# Altium PCB MPPT.PcbDoc (part 1 of 2)
Units mm, origin at the board's own origin, x right, y up, seen from the top; angles counter-clockwise.
Board outline 185.29 x 120.02 mm, 4 copper layers (Top, PWR_GND, GND, Bottom), stack 0.672 mm thick; 128 components, 72 nets, 445 pads, 162 vias.
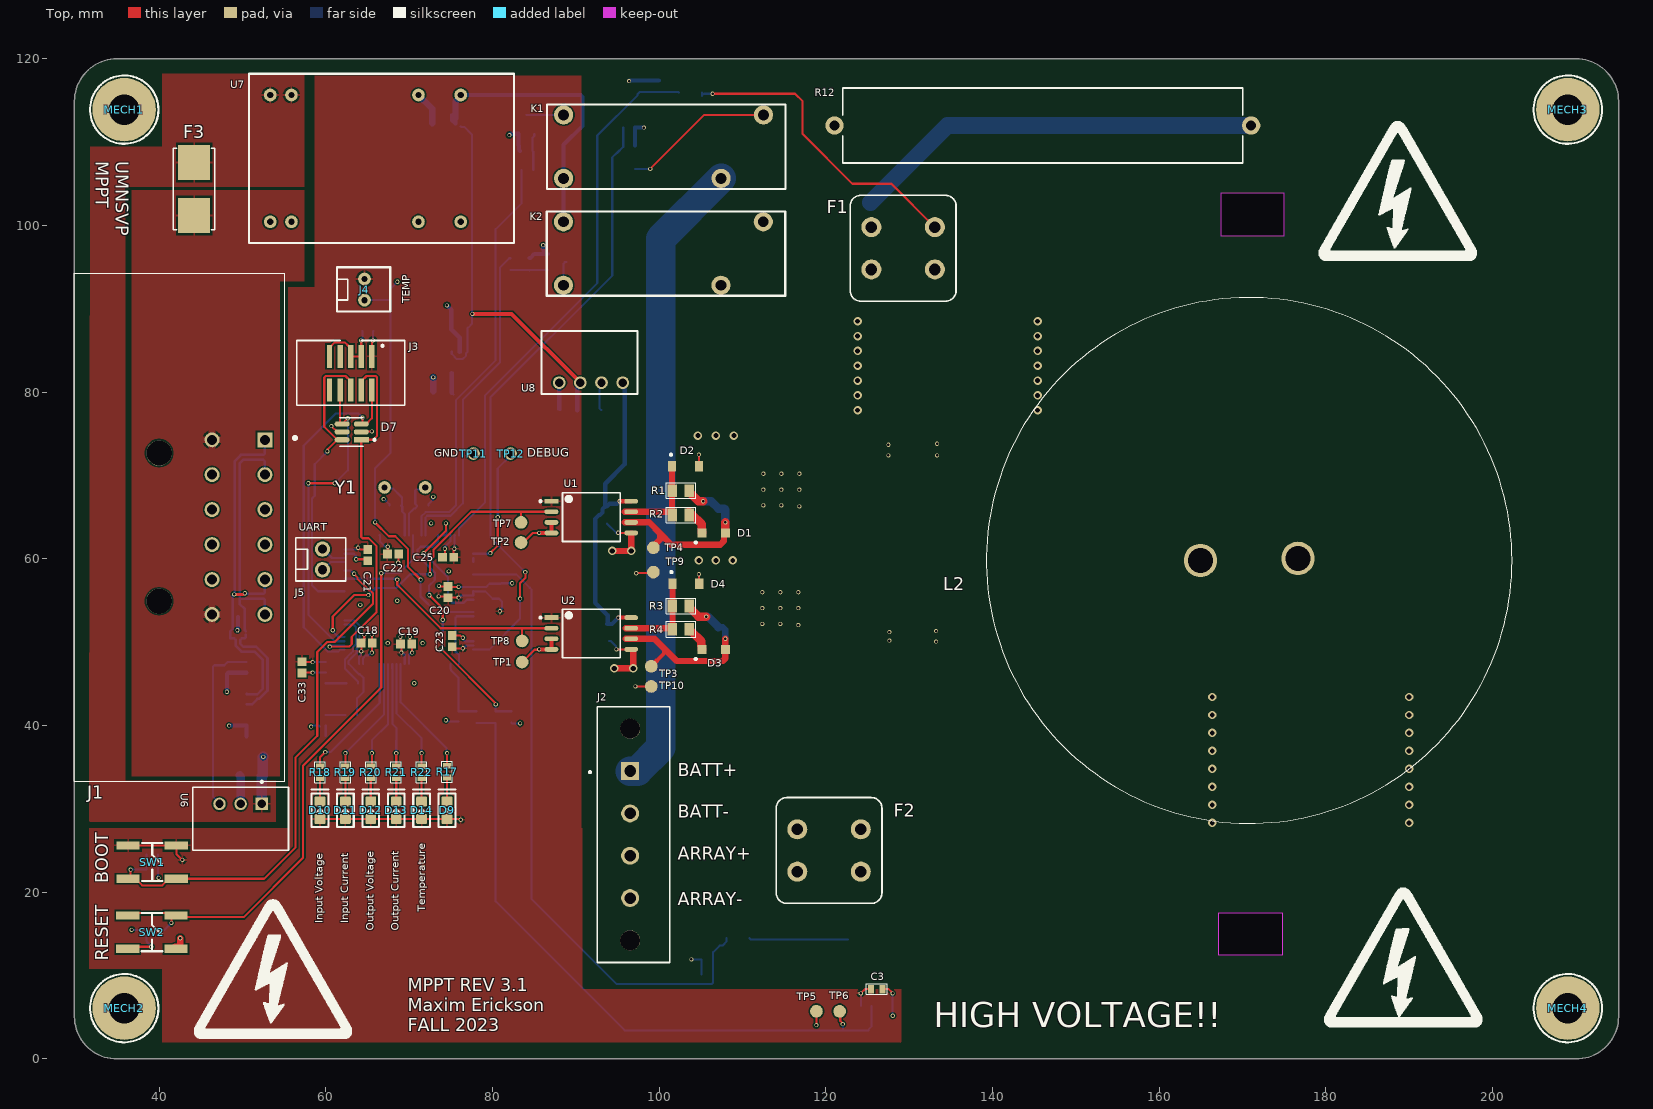
[diagram p0: Top view]
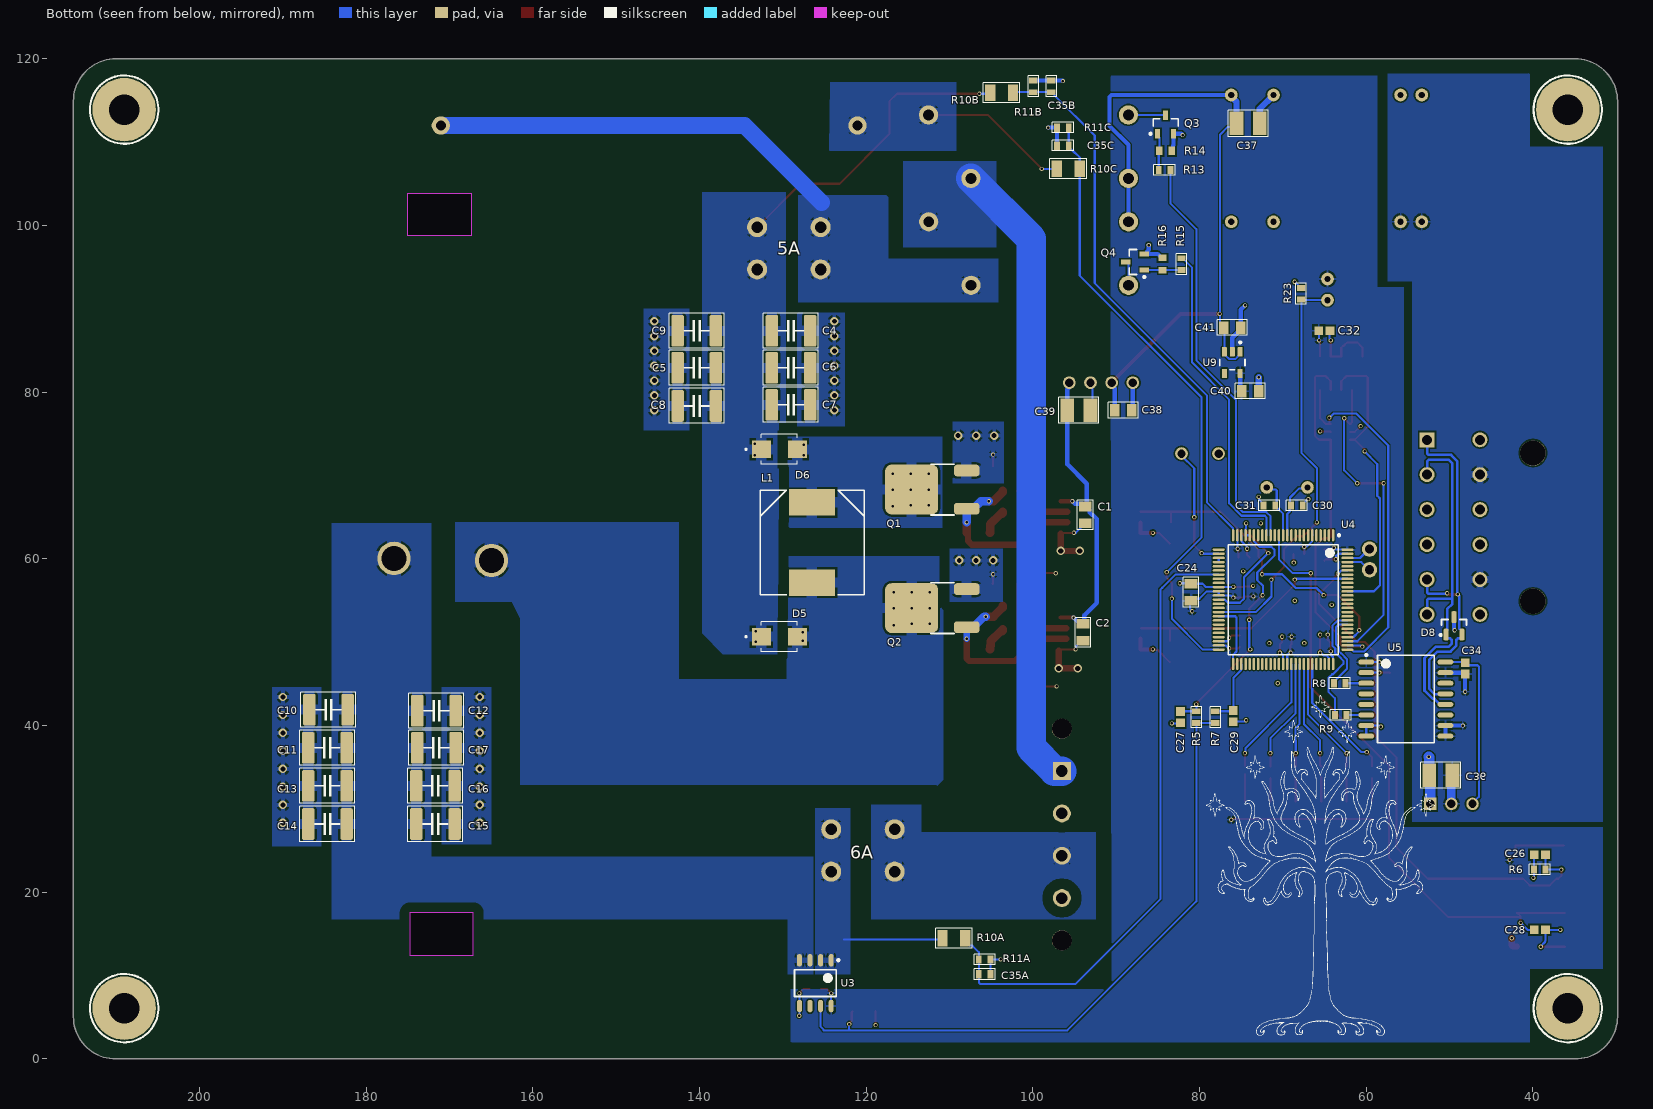
[diagram p1: Bottom view, seen from below]
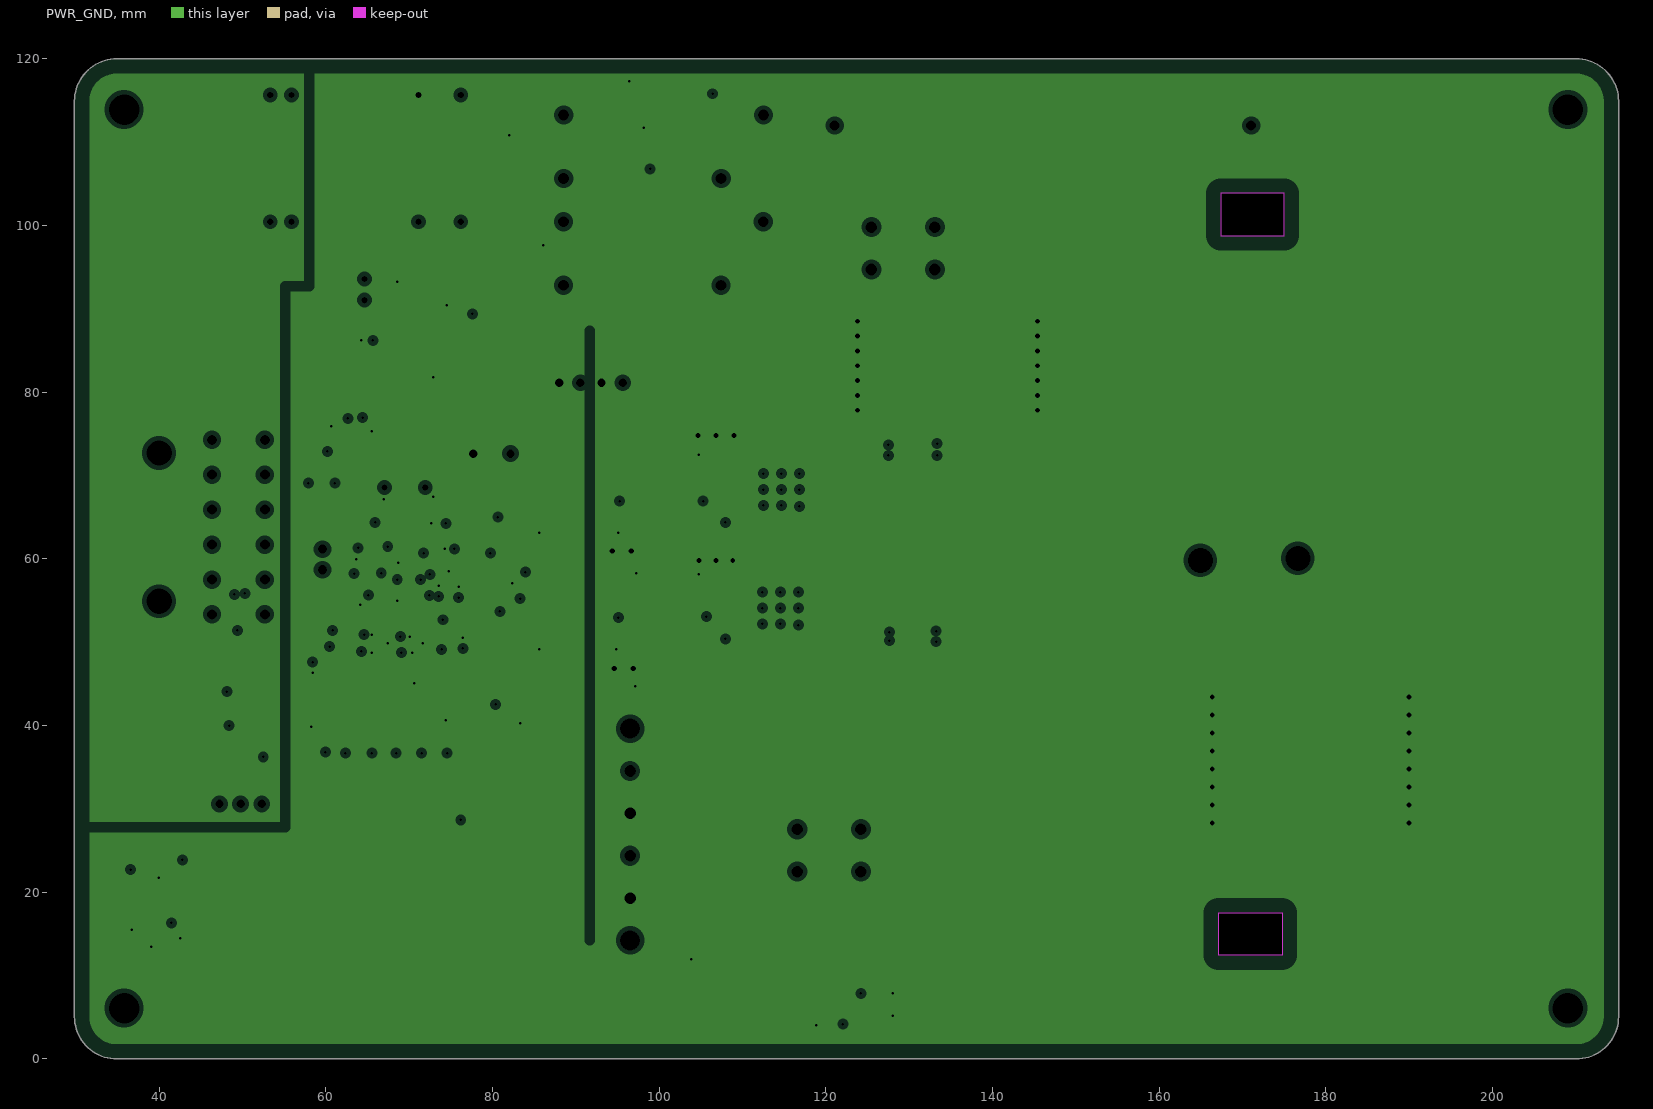
[diagram p2: PWR_GND, clearances drawn from the general rule]
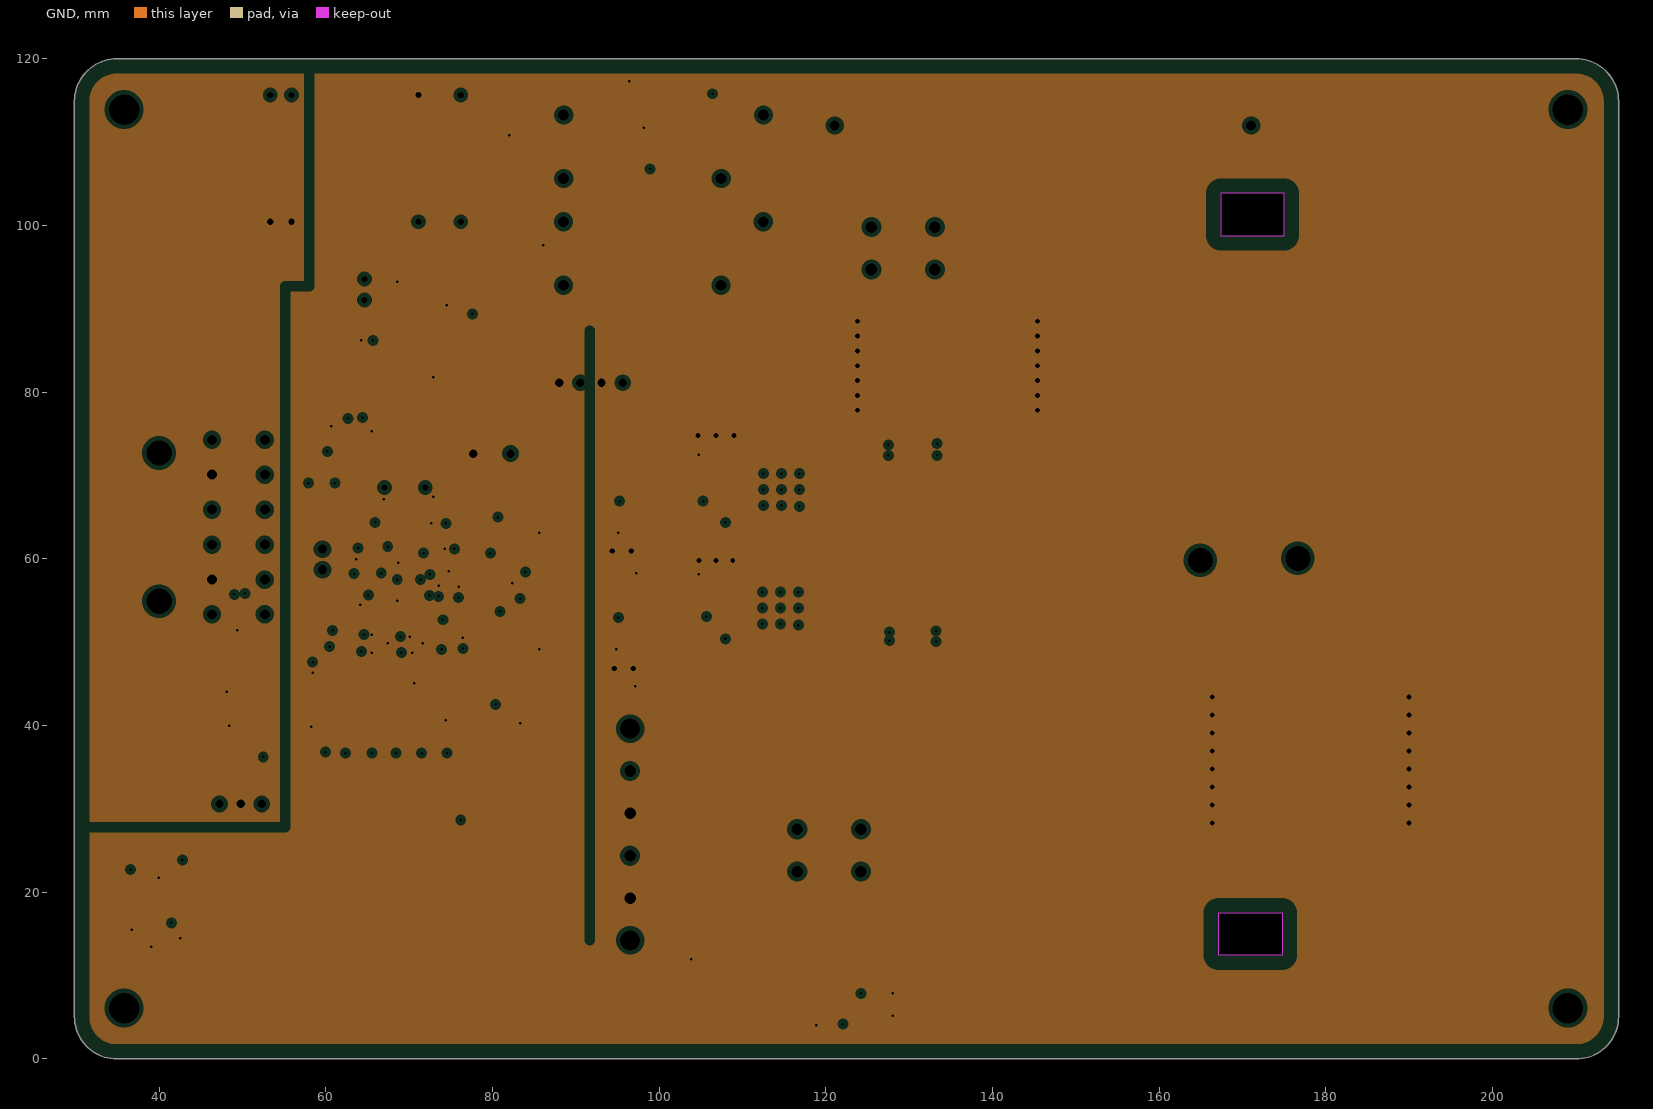
[diagram p3: GND, clearances drawn from the general rule]
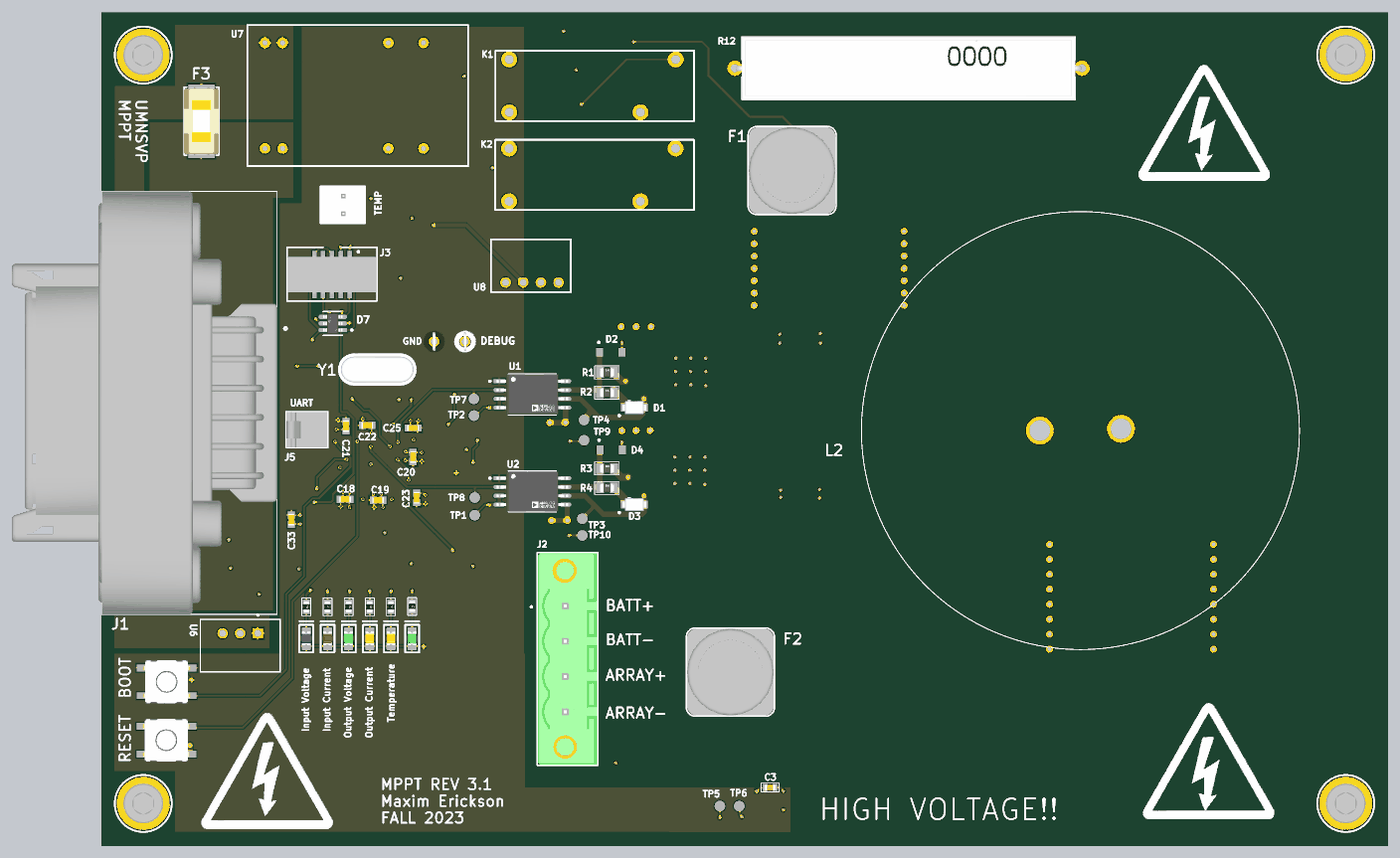
[diagram p5: 3D render of the assembled board from above, using the file's embedded part models]
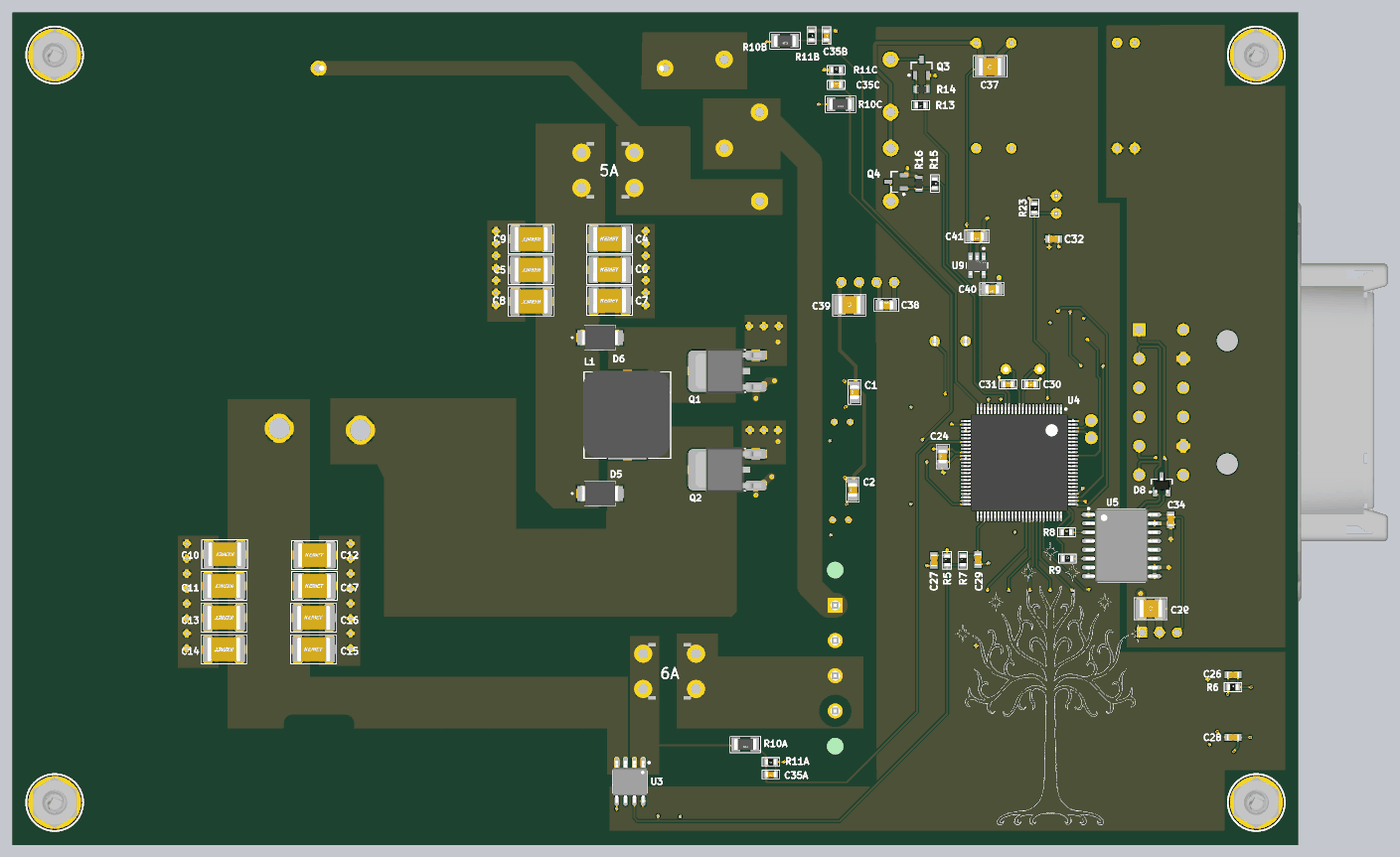
[diagram p6: 3D render of the assembled board from below, using the file's embedded part models]

## Layer stack, top to bottom
Top Solder: solder mask 0.0102, Solder Resist, Dk 3.5
Top: signal copper 0.07
Dielectric 2: prepreg 0.0711, PP-006, Dk 4.1
PWR_GND: plane copper 0.035, net GND
Dielectric 3: prepreg 0.0711, PP-006, Dk 4.1
GND: plane copper 0.035, net (Multiple Nets)
Dielectric 1: dielectric 0.32, FR-4, Dk 4.8
Bottom: signal copper 0.07
Bottom Solder: solder mask 0.0102, Solder Resist, Dk 3.5

## Board outline
29.845,5.08 ccw(c34.925,5.08) 34.925,0 34.798,0 210.058,0 ccw(c210.058,5.08) 215.138,5.08 215.138,114.935 ccw(c210.058,114.935) 210.058,120.015 34.925,120.015 ccw(c34.925,114.935) 29.845,114.935
cut-out: 175.006,98.806 175.006,103.886 167.386,103.886 167.386,98.806
cut-out: 174.752,17.526 174.752,12.446 167.132,12.446 167.132,17.526

## Design rules (kind name [scope] priority, off if disabled: settings)
BoardOutlineClearance [OnLayer('Top') OR OnLayer('Bottom') OR OnLayer('PWR_GND') Or OnLayer('GND')] p1: gap=1.016 ignorepadtopadclearanceinfootprint=FALSE except(0.381: Poly-CavityEdge Poly-CutoutEdge)
Clearance HAL_SENSE [InNet('inductor_input') OR InNet('boost_output') vs InNet('Array_Measure') OR InNet('NetF1_1')] p1: gap=0.178 ignorepadtopadclearanceinfootprint=TRUE
Clearance "HV clearence" [InNetClass('HV')] p2: gap=1.25 ignorepadtopadclearanceinfootprint=TRUE except(0.2: Arc-Text Track-Text SMDPad-Text THPad-Text Via-Text Fill-Text Poly-Text Region-Text Text-Text Text-Hole; 0.4: Arc-Arc Arc-Track Arc-SMDPad Arc-THPad Arc-Via Arc-Fill Arc-Poly Arc-Region Arc-Hole Track-Track Track-SMDPad Track-THPad Track-Via Track-Fill Track-Poly Track-Region Track-Hole SMDPad-Hole THPad-Hole Via-Hole Fill-Hole Poly-Hole Region-Hole)
Clearance "MV clearence" [InNetClass('MV')] p3: gap=0.25 ignorepadtopadclearanceinfootprint=TRUE
Clearance "LV clearence" [All] p4: gap=0.178 ignorepadtopadclearanceinfootprint=TRUE
ComponentClearance "FET Clearance" [InComponent('Q1') OR InComponent('Q2') vs InComponent('MP1')] p1: gap=0 collisioncheckmode=3 verticalgap=0 showdistances=FALSE
ComponentClearance [All] p2: gap=0.254 collisioncheckmode=3 verticalgap=0.254 showdistances=FALSE
DiffPairsRouting [All] p1: maxlimit=0.254 minlimit=0.254 mostfreqgap=0.254 toplayer_minwidth=0.381 toplayer_maxwidth=0.381 toplayer_prefwidth=0.381 bottomlayer_minwidth=0.305 bottomlayer_maxwidth=0.381 bottomlayer_prefwidth=0.381 maxuncoupledlength=19.05
Height [All] p1: minheight=0 maxheight=254 prefheight=12.7
PlaneClearance "HV Clearance" [InNetClass('HV')] p1: clearance=1.27
PlaneClearance "LV Clearance" [All] p2: clearance=0.508
PlaneConnect LVHeaderPlane [All] p1: pad.planeconnectstyle=Relief pad.reliefexpansion=0.508 pad.reliefentries=4 pad.reliefconductorwidth=0.889 pad.reliefairgap=0.254 via.planeconnectstyle=Relief via.reliefexpansion=0.508 via.reliefentries=4 via.reliefconductorwidth=0.254 via.reliefairgap=0.254
PlaneConnect PowerComponentToGndPlane [IsNamedPolygon('GND_BAT_OUT_CAPS_2') or IsNamedPolygon('GND_BAT_OUT_CAPS_1') or IsNamedPolygon('GND_ARRAY_IN_CAPS_1') or IsNamedPolygon('GND_ARRAY_IN_CAPS_2') or IsNamedPolygon('GND_L04_P108') or IsNamedPolygon('GND_L04_P109')] p2: pad.planeconnectstyle=Relief pad.reliefexpansion=0.508 pad.reliefentries=4 pad.reliefconductorwidth=0.254 pad.reliefairgap=0.254 via.planeconnectstyle=Relief via.reliefexpansion=0.508 via.reliefentries=4 via.reliefconductorwidth=0.508 via.reliefairgap=0.254
PlaneConnect "High Current Plane Connect" [InNet('GND') AND InComponent('J2')] p3: planeconnectstyle=Relief reliefexpansion=0.508 reliefentries=4 reliefconductorwidth=1.27 reliefairgap=0.254
PlaneConnect [All] p4: planeconnectstyle=Relief reliefexpansion=0.508 reliefentries=4 reliefconductorwidth=0.254 reliefairgap=0.254
PolygonConnect LVHeaderPolygon [InComponent('J1')] p1: thpad.connectstyle=Relief thpad.reliefconductorwidth=0.889 thpad.reliefentries=4 thpad.polygonreliefangle="90 Angle" thpad.airgapwidth=0.254 smdpad.connectstyle=Relief smdpad.reliefconductorwidth=0.254 smdpad.reliefentries=4 smdpad.polygonreliefangle="90 Angle" smdpad.airgapwidth=0.254 via.connectstyle=Relief via.reliefconductorwidth=0.254 via.reliefentries=4 via.polygonreliefangle="90 Angle" via.airgapwidth=0.254
PolygonConnect PowerComponentToGndPolygon [IsNamedPolygon('GND_BAT_OUT_CAPS_2') or IsNamedPolygon('GND_BAT_OUT_CAPS_1') or IsNamedPolygon('GND_ARRAY_IN_CAPS_1') or IsNamedPolygon('GND_ARRAY_IN_CAPS_2') or IsNamedPolygon('GND_L04_P108') or IsNamedPolygon('GND_L04_P109')] p2: thpad.connectstyle=Relief thpad.reliefconductorwidth=0.254 thpad.reliefentries=4 thpad.polygonreliefangle="90 Angle" thpad.airgapwidth=0.254 smdpad.connectstyle=Relief smdpad.reliefconductorwidth=1.27 smdpad.reliefentries=4 smdpad.polygonreliefangle="90 Angle" smdpad.airgapwidth=0.254 via.connectstyle=Relief via.reliefconductorwidth=0.508 via.reliefentries=4 via.polygonreliefangle="90 Angle" via.airgapwidth=0.254
PolygonConnect "High Current Connect" [All vs (InComponent('J2') or InNetClass('High Current')) and NOT InComponent('U3')] p3: thpad.connectstyle=Relief thpad.reliefconductorwidth=1.778 thpad.reliefentries=4 thpad.polygonreliefangle="90 Angle" thpad.airgapwidth=0.254 smdpad.connectstyle=Relief smdpad.reliefconductorwidth=1.27 smdpad.reliefentries=4 smdpad.polygonreliefangle="90 Angle" smdpad.airgapwidth=0.254 via.connectstyle=Relief via.reliefconductorwidth=0.762 via.reliefentries=4 via.polygonreliefangle="90 Angle" via.airgapwidth=0.254
PolygonConnect HalConnect [IsNamedPolygon('ARRAY_MEASURE_L04_P104') Or  IsNamedPolygon('INDUCTOR_INPUT_L04_P115')] p4: thpad.connectstyle=Relief thpad.reliefconductorwidth=1.016 thpad.reliefentries=4 thpad.polygonreliefangle="90 Angle" thpad.airgapwidth=0.254 smdpad.connectstyle=Relief smdpad.reliefconductorwidth=0.762 smdpad.reliefentries=4 smdpad.polygonreliefangle="90 Angle" smdpad.airgapwidth=0.254 via.connectstyle=Relief via.reliefconductorwidth=0.254 via.reliefentries=4 via.polygonreliefangle="90 Angle" via.airgapwidth=0.254
PolygonConnect "Micro Connect" [InNet('+3.3') vs InComponent('U6')] p5: connectstyle=NoConnect reliefconductorwidth=0.254 reliefentries=4 polygonreliefangle="90 Angle" airgapwidth=0.254
PolygonConnect [All] p6: connectstyle=Relief reliefconductorwidth=0.254 reliefentries=4 polygonreliefangle="90 Angle" airgapwidth=0.254
RoutingVias [All] p1: holewidth=0.3 width=0.5 viastyle="Through Hole" minholewidth=0.3 minwidth=0.5 maxholewidth=0.711 maxwidth=1.27
SilkToSolderMaskClearance [IsPad] p1: minsilkscreentomaskgap=0.127 clearancetoexposedcopper=TRUE
SolderMaskExpansion [All] p1: expansion=0.102 istentingtop=FALSE
UndershootFalling [All] p1: maximum=1.000
Width [All] p1: maxlimit=7.62 minlimit=0.254 preferedwidth=0.254 minimp=50.000000 maximp=50.000000 favimp=50.000000
24 further rules are at their usual default settings.

## Classes and differential pairs
net class "High Current": Array+ Array_Measure Bat+ boost_output inductor_input NetD6_A NetF1_2 NetK1_4 VA
component class U_hv_Isolation: K1 K2 Q3 Q4 R12 R13 R14 R15 R16
component class "PreCharge Scalaing": C35C R10C R11C
component class U_UART: J5
channel class Voltage_Measurment: "Array Scaling" "Battery Scaling" "PreCharge Scalaing"
net class HV: Array+ Array_Measure Bat+ boost_output inductor_input NetD6_A NetF1_2 NetK1_4 VA
component class U_temp_measure: J4 R23
component class U_Power: C3 C4 C5 C6 C7 C8 C9 C10 C11 C12 C13 C14 C15 C16 C17 D5 D6 debug F1 F2 L2 Q1 Q2 TP5 TP6 U3
component class U_MicroController: C18 C19 C20 C21 C22 C23 C24 C25 C26 C27 C28 C29 C30 C31 debug R5 R6 R7 SW1 SW2 TP7 TP8 TP9 TP10 TP11 TP12 U4 Y1
component class U_LVRegulation: C36 C37 C38 C39 C40 C41 F3 U6 U7 U8 U9
component class U_JTAG: C32 D7 J3
component class U_indicator_leds: D9 D10 D11 D12 D13 D14 R17 R18 R19 R20 R21 R22
component class U_GateDriver: C1 C2 D1 D2 D3 D4 R1 R2 R3 R4 TP1 TP2 TP3 TP4 U1 U2
component class U_CanTrans: C33 C34 D8 R8 R9 U5
component class MPPT: J1 J2 MECH1 MECH2 MECH3 MECH4
component class "Battery Scaling": C35B R10B R11B
component class "Array Scaling": C35A R10A R11A
differential pair CAN: +CAN_P -CAN_N
